# Altium PCB CurrentTransducers_Corfo_v2.PcbDoc (part 1 of 2) (continued)
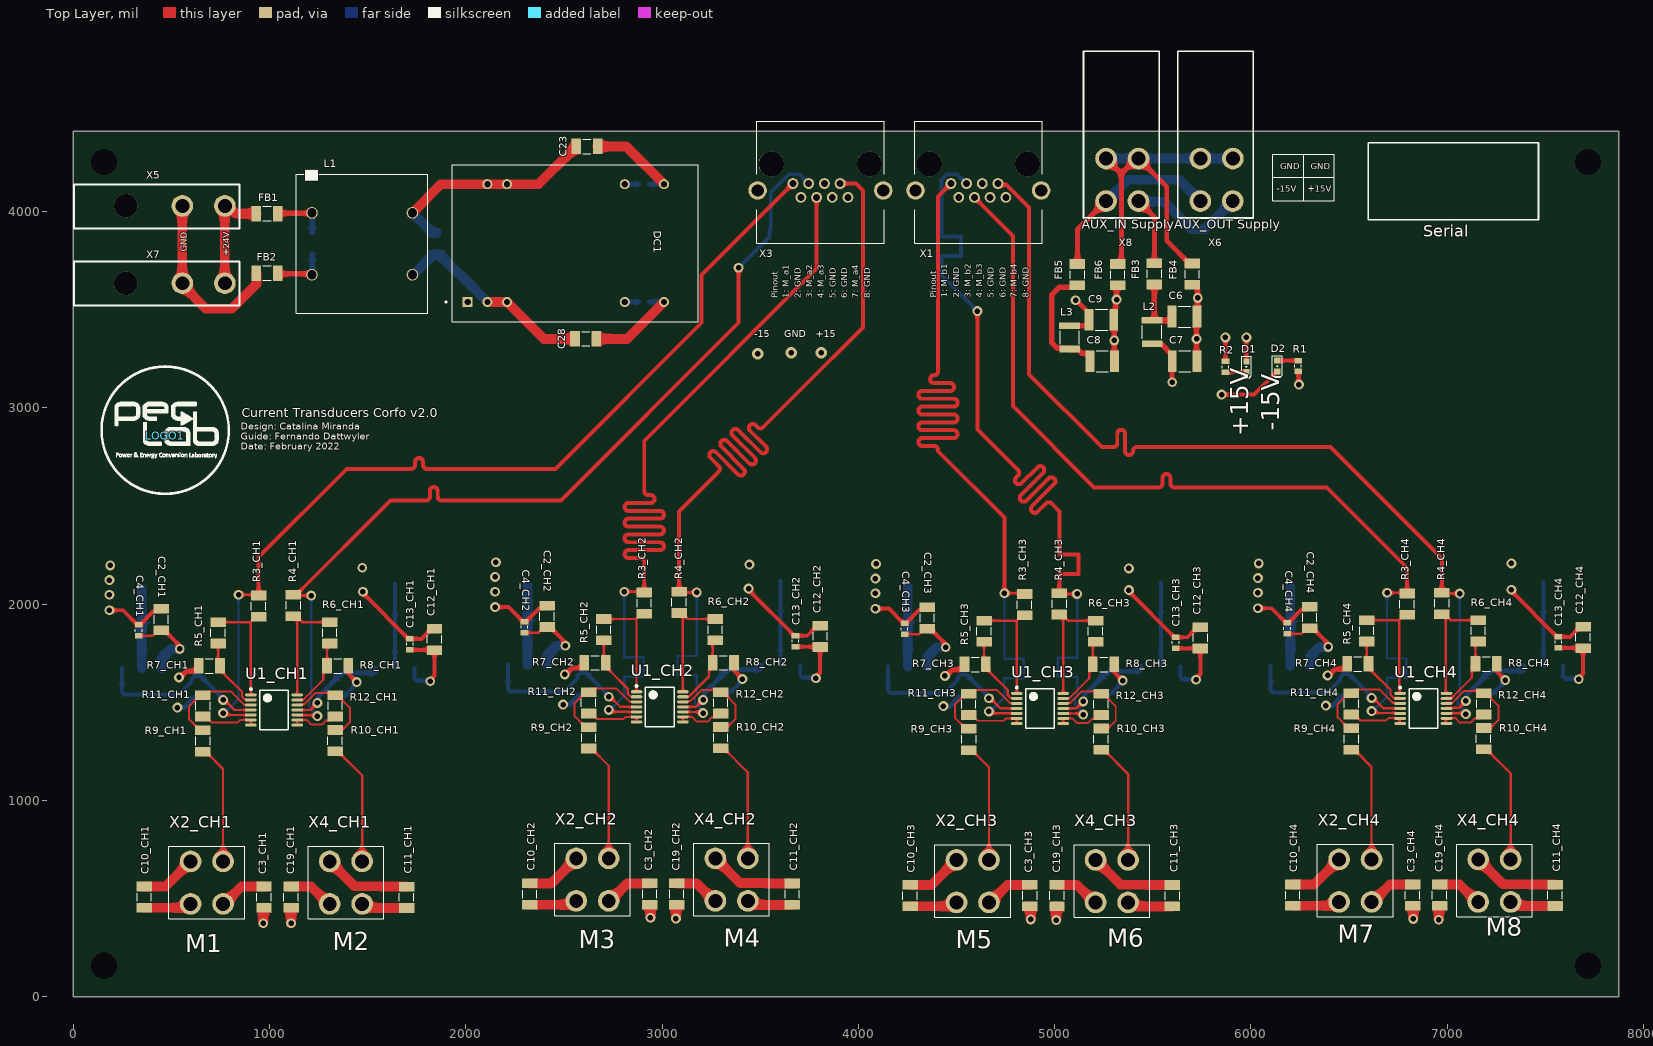
[diagram p0: Top Layer view]
## Components (designator, comment, footprint, x,y, rotation, side; value= is the part's Value field where it differs from the comment) (continued)
X4_CH4 "Connector 2x2" 0039310047 7433.07,775.98 r180 top (schematic designator X4)
X5 "Connector 2x1 R/A" CON_WR-MPC4-649002227222 772.72,4027.94 r270 top
X6 "Connector 2x2" 0874270402 5807.09,4401.57 r180 top
X7 "Connector 2x1 R/A" CON_WR-MPC4-649002227222 772.72,3634.24 r270 top
X8 "Connector 2x2" 0874270402 5326.77,4401.57 r180 top

## Footprints (in the part's own frame and the unit in brackets; to place one, negate y for a bottom-side part, rotate by r counter-clockwise, add the part's x,y. Pads: shape width x height; smd on the part's side, far side on the other; paste and mask are expansions set on the pad)
0039310047 [mm]
  round 2.8 hole 1.8: 1(2.8,7.45) 2(7,7.45) 3(2.8,1.95) 4(7,1.95)
  silkscreen extent 0,0 9.8,9.4, body extent -0.37,-1.35 10.03,9.65, height 12.8
0874270402 [mm]
  round 2.8 hole 1.8: 1(-2.54,8.859) 2(1.651,8.859) 3(-2.549,3.359) 4(1.651,3.359)
  silkscreen extent -5.21,-10.54 4.57,11.05, body extent -5.84,-10.48 4.96,9.46, height 11.5
CAP_0603 [mm] "CAP CER 0603"
  rect 1x0.7 smd: 1(0,0) 2(0,-1.4)
  silkscreen extent -0.42,-0.86 0.43,-0.54, body extent -0.4,-1.49 0.4,0.11, height 0.3
CAP_1206 [mm]
  rect 2x1.25 smd: 1(-0.01,-0.01) 2(-0.01,-2.77)
  silkscreen extent -0.93,-1.91 0.92,-0.86, body extent -0.81,-2.96 0.79,0.24, height 1.6
CAP_1210 [mm]
  rect 2.8x1.15 smd: 1(-0.01,-0.01) 2(-0.01,-3.2)
  silkscreen extent -1.37,-2.39 1.35,-0.82, body extent -1.37,-3.37 1.35,0.13, height 2.8
CON_WR-MPC4-649002227222 [mm] "CONN HEADER R/A 2POS 4.2MM"
  round 2.8 hole 1.8: 1(0,0) 2(0,-5.5)
  silkscreen extent -2.8,-19.5 2.9,1.9, body extent -2.8,-19.47 2.9,0.5, height 11.4
FB_1206 [mm]
  rect 2x1.25 smd: 1(-0.01,-0.01) 2(-0.01,-2.77)
  silkscreen extent -0.93,-1.91 0.92,-0.86, body extent -0.82,-3.04 0.78,0.16, height 1.1
INDUCTOR_1210 [mm] "INDUCTOR 1210"
  rect 2.7x0.85 smd: 1(0,0) 2(0.02,-3)
  silkscreen extent -1.24,-2.36 1.24,-0.64, body extent -1.24,-3.11 1.26,0.09, height 1.5
LED_0603_Blue [mm] "LED 0603"
  rect 0.8x0.8 smd: 1(0,0) 2(0,-1.4)
  silkscreen extent -0.63,-2.16 0.63,0.65, body extent -0.4,-1.49 0.4,0.11, height 0.4
LM2990 [mm]
  rrect25% 3.79x0.99 smd: 1(-9.067,2.54) 2(-9.067,0) 3(-9.067,-2.54)
  rect 7.62x10.84 smd paste-6: 4(1.813,0)
  silkscreen extent -11.77,-5.08 -2.32,5.08, body extent -9.84,-5.08 4.51,5.08, height 4.65
Logo_PECLAB [mil]
  silkscreen extent -329,-300 329,357
MIC29150 [mm]
  rect 3.92x1.45 smd: 1(-10.287,2.54) 2(-10.287,0) 3(-10.287,-2.54)
  rect 8.75x10.75 smd paste-6: 4(0.013,0)
  silkscreen extent -10.39,-5.21 -4.94,5.21
OPAx172 [mm] "TSOP, 14-Leads, Body 5,10x4,50mm, Pitch 0,65mm, IPC Medium Density"
  oval 1.5x0.4 smd: 1(-3,1.95) 2(-3,1.3) 3(-3,0.65) 4(-3,0) 5(-3,-0.65) 6(-3,-1.3) 7(-3,-1.95) 8(3,-1.95) 9(3,-1.3) 10(3,-0.65) 11(3,0) 12(3,0.65) 13(3,1.3) 14(3,1.95)
  silkscreen extent -3.12,-2.55 1.85,2.82, body extent -3.3,-2.55 3.3,2.55, height 1.2
RES_0603 [mm] "RES 0603"
  rect 1x0.7 smd: 1(0,0) 2(0,-1.4)
  silkscreen extent -0.42,-0.86 0.43,-0.54, body extent -0.39,-1.49 0.41,0.11, height 0.45
RJ45_RJHSE5E80 [mm] "Modulo RJ-45 RJHSE5E80"
  round 1.408 hole 0.9: 1(0,0) 2(-1.02,1.78) 3(-2.03,0) 4(-3.05,1.78) 5(-4.06,0) 6(-5.08,1.78) 7(-6.09,0) 8(-7.11,1.78)
  round 2.4 hole 1.6: ""(-11.68,0.89) ""(4.58,0.89)
  round 3.25 hole 3.25 unplated: ""(-9.9,-2.54) ""(2.8,-2.54)
  silkscreen extent -11.81,-8.04 4.7,7.71, body extent -11.95,-8.24 4.88,7.96, height 14.77
SC-07-04GJ [mm]
  round 1.508 hole 1.2: 1(5,2) 2(13,2) 3(13,15) 4(5,15)
  silkscreen extent 0,0 18,17, body extent 0.02,0.01 18.02,17.01, height 19.56
Serial_22x10mm [mil]
  silkscreen extent -433,-197 433,197
"THD 12-2423" [mm]
  rect 1.3x1.3 hole 0.8: 1(-13.644,-7.727)
  round 1.3 hole 0.8: 2(-11.104,-7.727) 3(-8.564,-7.727) 9(6.676,-7.727) 11(11.756,-7.727) 14(11.756,7.513) 16(6.676,7.513) 22(-8.564,7.513) 23(-11.104,7.513)
  silkscreen extent -16.53,-10.26 16.16,10.04, body extent -15.54,-10.28 16.26,10.02, height 10.3

## Part data
C1_CH1 C1_CH2 C1_CH3 C1_CH4 C2_CH1 C2_CH2 C2_CH3 C2_CH4 C3_CH1 C3_CH2 C3_CH3 C3_CH4 C5_CH1 C5_CH2 C5_CH3 C5_CH4 C10_CH1 C10_CH2 C10_CH3 C10_CH4 C11_CH1 C11_CH2 C11_CH3 C11_CH4 C12_CH1 C12_CH2 C12_CH3 C12_CH4 C19_CH1 C19_CH2 C19_CH3 C19_CH4: library part GMK316B7105MLHT, "Cap Ceramic 1uF 35V X7R 20% Pad SMD 1206 125C Low ESR Automotive T/R", Manufacturer="Taiyo Yuden", Supplier Part Number 1=587-GMK316B7105MLHTCT-ND, Category="Ceramic Capacitors", Manufacturer Part Number=GMK316B7105MLHT, Pricing 1="1=0,26000, 10=0,17900, 50=0,11920, 100=0,10130, 500=0,07148, 1000=0,06255 (USD)", RoHS=Yes, Stock 1=1568, Supplier 1=Digi-Key
C4_CH1 C13_CH1: library part C1608X5R1H104K080AA, "Cap Ceramic 0.1uF 50V X5R 10% SMD 0603 85C T/R", Capacitance=100nF, Case/Package=0603, Case Code (Metric)=1608, Dielectric=X5R, Dielectric Material=Ceramic, Manufacturer=TDK, Max Operating Temperature=85°C, Min Operating Temperature=-55°C, Package Quantity=1, Supplier Part Number 1=445-7456-1-ND, Tolerance=10%, Voltage Rating=50V, Case Code (Imperial)=0603, Category="Ceramic Capacitors", ComponentLink1Description=https://datasheet.ciiva.com/26834/getdatasheetpartid-733538-26834367.pdf?src-supplier=Verical, ComponentLink1URL=https://datasheet.ciiva.com/26834/getdatasheetpartid-733538-26834367.pdf?src-supplier=Verical, ComponentLink2Description=https://datasheet.ciiva.com/28577/1735394-28577228.pdf?src-supplier=Element14, ComponentLink2URL=https://datasheet.ciiva.com/28577/1735394-28577228.pdf?src-supplier=Element14, ComponentLink3Description=https://datasheet.ciiva.com/6275/tdkmlcccaprange-6275223.pdf?src-supplier=Digi-Key, ComponentLink3URL=https://datasheet.ciiva.com/6275/tdkmlcccaprange-6275223.pdf?src-supplier=Digi-Key, ComponentLink4Description=https://datasheet.ciiva.com/24219/mlcc-commercial-general-en-24219452.pdf?src-supplier=Mouser, ComponentLink4URL=https://datasheet.ciiva.com/24219/mlcc-commercial-general-en-24219452.pdf?src-supplier=Mouser, ComponentLink5Description=https://datasheet.ciiva.com/17487/e412-c-17487525.pdf?src-supplier=Avnet+Europe, ComponentLink5URL=https://datasheet.ciiva.com/17487/e412-c-17487525.pdf?src-supplier=Avnet+Europe, ComponentLink6Description=https://datasheet.ciiva.com/7975/1796654-7975081.pdf?src-supplier=Element14, ComponentLink6URL=https://datasheet.ciiva.com/7975/1796654-7975081.pdf?src-supplier=Element14, ComponentLink7Description=https://datasheet.ciiva.com/22694/1796654-22694121.pdf?src-supplier=Element14, ComponentLink7URL=https://datasheet.ciiva.com/22694/1796654-22694121.pdf?src-supplier=Element14, Construction=Flat, Depth=0.8mm, Height=0.8mm, Lead Free="Lead Free", Length=1.6mm, Manufacturer Part Number=C1608X5R1H104K080AA, Mount="Surface Mount", Number of Pins=2, Packaging="Tape and Reel", Pricing 1="1=0,12000, 10=0,08600, 50=0,04680, 100=0,03830, 500=0,02734, 1000=0,02148 (USD)", Radiation Hardening=No, REACH SVHC="No SVHC", Resistor Type=Ceramic, RoHS=Yes, RoHS Compliant=Yes, Series=C, Stock 1=1984, Supplier 1=Digi-Key, Termination=SMD/SMT, Thickness=0.035inch, Voltage Rating (DC)=50V, Weight=7.1E-05oz, Width=0.031inch
C4_CH2 C4_CH3 C4_CH4 C13_CH2 C13_CH3 C13_CH4: library part C1608X5R1H104K080AA, "Cap Ceramic 0.1uF 50V X5R 10% SMD 0603 85C T/R", Capacitance=100nF, Case Code (Imperial)=0603, Case Code (Metric)=1608, Dielectric=X5R, Dielectric Material=Ceramic, Manufacturer=TDK, Max Operating Temperature=85°C, Min Operating Temperature=-55°C, Package Quantity=1, Supplier Part Number 1=445-7456-1-ND, Tolerance=10%, Voltage Rating=50V, Case/Package=0603, Category="Ceramic Capacitors", ComponentLink1Description=https://datasheet.ciiva.com/26834/getdatasheetpartid-733538-26834367.pdf?src-supplier=Verical, ComponentLink1URL=https://datasheet.ciiva.com/26834/getdatasheetpartid-733538-26834367.pdf?src-supplier=Verical, ComponentLink2Description=https://datasheet.ciiva.com/28577/1735394-28577228.pdf?src-supplier=Element14, ComponentLink2URL=https://datasheet.ciiva.com/28577/1735394-28577228.pdf?src-supplier=Element14, ComponentLink3Description=https://datasheet.ciiva.com/6275/tdkmlcccaprange-6275223.pdf?src-supplier=Digi-Key, ComponentLink3URL=https://datasheet.ciiva.com/6275/tdkmlcccaprange-6275223.pdf?src-supplier=Digi-Key, ComponentLink4Description=https://datasheet.ciiva.com/24219/mlcc-commercial-general-en-24219452.pdf?src-supplier=Mouser, ComponentLink4URL=https://datasheet.ciiva.com/24219/mlcc-commercial-general-en-24219452.pdf?src-supplier=Mouser, ComponentLink5Description=https://datasheet.ciiva.com/17487/e412-c-17487525.pdf?src-supplier=Avnet+Europe, ComponentLink5URL=https://datasheet.ciiva.com/17487/e412-c-17487525.pdf?src-supplier=Avnet+Europe, ComponentLink6Description=https://datasheet.ciiva.com/7975/1796654-7975081.pdf?src-supplier=Element14, ComponentLink6URL=https://datasheet.ciiva.com/7975/1796654-7975081.pdf?src-supplier=Element14, ComponentLink7Description=https://datasheet.ciiva.com/22694/1796654-22694121.pdf?src-supplier=Element14, ComponentLink7URL=https://datasheet.ciiva.com/22694/1796654-22694121.pdf?src-supplier=Element14, Construction=Flat, Depth=0.8mm, Height=0.8mm, Lead Free="Lead Free", Length=1.6mm, Manufacturer Part Number=C1608X5R1H104K080AA, Mount="Surface Mount", Number of Pins=2, Packaging="Tape and Reel", Pricing 1="1=0,12000, 10=0,08600, 50=0,04680, 100=0,03830, 500=0,02734, 1000=0,02148 (USD)", Radiation Hardening=No, REACH SVHC="No SVHC", Resistor Type=Ceramic, RoHS=Yes, RoHS Compliant=Yes, Series=C, Stock 1=1984, Supplier 1=Digi-Key, Termination=SMD/SMT, Thickness=0.035inch, Voltage Rating (DC)=50V, Weight=7.1E-05oz, Width=0.031inch
C6 C7 C8 C9: library part Cap_1210, "10µF ±10% 50V Ceramic Capacitor X7R 1210 (3225 Metric)", Package=1210, Supplier Part Number 1=399-11629-1-ND, Created=2020_06_15_DAarancibia, MF=KEMET, MFP=C1210C106K5RACTU, Supplier 1=Digi-Key
C23 C28: library part C1206C102KGRACAUTO, "Cap Ceramic 0.001uF 2000V X7R 10% SMD 1206 125°C Embossed Plastic T/R", Capacitance=1nF, Case Code (Imperial)=1206, Case Code (Metric)=3216, Dielectric=X7R, Dielectric Material=Ceramic, Manufacturer=KEMET, Max Operating Temperature=125°C, Min Operating Temperature=-55°C, Ratings=AEC-Q200, Supplier Part Number 1=399-12976-1-ND, Tolerance=10%, Voltage Rating=2kV, Case/Package=1206, Category="Ceramic Capacitors", ComponentLink1Description=http://www.farnell.com/datasheets/2741171.pdf?src-supplier=Farnell, ComponentLink1URL=http://www.farnell.com/datasheets/2741171.pdf?src-supplier=Farnell, ComponentLink2Description=http://www.mouser.com/ds/2/212/KEM_C1010_X7R_HV_SMD-1102742.pdf?src-supplier=Mouser, ComponentLink2URL=http://www.mouser.com/ds/2/212/KEM_C1010_X7R_HV_SMD-1102742.pdf?src-supplier=Mouser, ComponentLink3Description=http://capacitoredge.kemet.com/capedge2/DataSheet/Datasheet-C1206C102KGRACAUTO.pdf?pn=C1206C102KGRACAUTO&src-supplier=Avnet, ComponentLink3URL=http://capacitoredge.kemet.com/capedge2/DataSheet/Datasheet-C1206C102KGRACAUTO.pdf?pn=C1206C102KGRACAUTO&src-supplier=Avnet, ComponentLink4Description=http://www.farnell.com/datasheets/2741171.pdf?src-supplier=Element14, ComponentLink4URL=http://www.farnell.com/datasheets/2741171.pdf?src-supplier=Element14, ComponentLink5Description=https://api.kemet.com/component-edge/download/datasheet/C1206C102KGRACAUTO.pdf?src-supplier=Digi-Key, ComponentLink5URL=https://api.kemet.com/component-edge/download/datasheet/C1206C102KGRACAUTO.pdf?src-supplier=Digi-Key, ComponentLink6Description=http://www.farnell.com/datasheets/2741171.pdf?src-supplier=Newark, ComponentLink6URL=http://www.farnell.com/datasheets/2741171.pdf?src-supplier=Newark, Construction=Flat, Contact Plating=Tin,Matte, Length=0.126inch, Manufacturer Part Number=C1206C102KGRACAUTO, Mount="Surface Mount", Packaging="Tape and Reel", Pricing 1="1=0,27000, 10=0,18500, 50=0,12360, 100=0,10510, 500=0,07418, 1000=0,06491 (USD)", REACH SVHC="No SVHC", RoHS=No, RoHS Compliant=No, Series=C, Stock 1=904, Supplier 1=Digi-Key, Termination=SMD/SMT, Thickness=0.069inch, Voltage Rating (DC)=2kV, Width=0.063inch
C24 C27: library part CC0603CRNPO9BNR47, "Surface Mount Ceramic Multilayer Capacitor 0.47pF 0.25pF C0G 50V 0603 Paper T/R", Case Code (Imperial)=0603, Case Code (Metric)=1608, Dielectric=C0G, Dielectric Material=Ceramic, Insulation Resistance=100GR, Manufacturer=Yageo, Max Operating Temperature=125°C, Min Operating Temperature=-55°C, Package Quantity=4000, Supplier Part Number 1=13-CC0603CRNPO9BNR47CT-ND, Voltage Rating=50V, Capacitance=0.47pF, Case/Package=0603, Category="Ceramic Capacitors", ComponentLink1Description=https://datasheet.ciiva.com/11586/upy-gp-np0-16v-to-50v-8-11586447.pdf?src-supplier=Avnet, ComponentLink1URL=https://datasheet.ciiva.com/11586/upy-gp-np0-16v-to-50v-8-11586447.pdf?src-supplier=Avnet, ComponentLink2Description=https://datasheet.ciiva.com/8033/1443161-8033695.pdf?src-supplier=Element14, ComponentLink2URL=https://datasheet.ciiva.com/8033/1443161-8033695.pdf?src-supplier=Element14, ComponentLink3Description=https://datasheet.ciiva.com/17437/upy-gp-np0-16v-to-50v-8-17437099.pdf?src-supplier=Avnet+Europe, ComponentLink3URL=https://datasheet.ciiva.com/17437/upy-gp-np0-16v-to-50v-8-17437099.pdf?src-supplier=Avnet+Europe, Depth=0.8mm, Height=0.8mm, Lead Free="Lead Free", Length=1.6mm, Manufacturer Part Number=CC0603CRNPO9BNR47, Mount="Surface Mount", Packaging="Tape and Reel", Pricing 1="1=0,10000, 10=0,05600, 50=0,03040, 100=0,02480, 500=0,01774, 1000=0,01395 (USD)", REACH SVHC=Unknown, Resistor Type=Ceramic, RoHS=Yes, RoHS Compliant=Yes, Series=CC, Stock 1=832, Supplier 1=Digi-Key, Termination=SMD/SMT, Thickness=0.035inch, Voltage Rating (DC)=50V, Width=0.031inch
C25 C26: library part UMK316ABJ475MLHT, "Cap Ceramic 4.7uF 50V X5R 20% Pad SMD 1206 85C Low ESR Automotive T/R", Case/Package=1206, Manufacturer="Taiyo Yuden", Max Operating Temperature=85°C, Min Operating Temperature=-55°C, Ratings=AEC-Q200, Supplier Part Number 1=587-6377-1-ND, Tolerance=20%, Voltage Rating=50V, Capacitance=4.7uF, Category="Ceramic Capacitors", ComponentLink1Description=https://www.yuden.co.jp/productdata/catalog/mlcc_all_hq_e.pdf?src-supplier=Digi-Key, ComponentLink1URL=https://www.yuden.co.jp/productdata/catalog/mlcc_all_hq_e.pdf?src-supplier=Digi-Key, Manufacturer Part Number=UMK316ABJ475MLHT, Mount="Surface Mount", Packaging="Tape and Reel", Pricing 1="1=0,41000, 10=0,28400, 50=0,19880, 100=0,17040, 500=0,12782, 1000=0,10794 (USD)", RoHS=Yes, RoHS Compliant=Yes, Stock 1=157, Supplier 1=Digi-Key
D1 D2: library part Led_0603_Blue, "Blue 470nm LED Indication - Discrete 3.2V 0603 (1608 Metric)", Package=0603, Supplier Part Number 1=732-4966-1-ND, Created=2020_07_06_DAarancibia, MF="Würth Elektronik", MFP=150060BS75000, Supplier 1=Digi-Key
DC1: "TRACOPOWER Isolated DC-DC Converter, Vin 18  36 V dc, Vout 15V dc, I/O isolation 1500V dc", Case/Package=PDIP, Current - Output 1=400mA, Isolation Voltage=1.5kV, Manufacturer="Traco Power", Max Input Voltage=36V, Max Operating Temperature=85°C, Max Output Power=12W, Min Input Voltage=18V, Min Operating Temperature=-40°C, Nominal Input Voltage=24V, Output Voltage=15V, Supplier Part Number 1=1951-2256-ND, Voltage - Output 2=-15V, Category="Board Mount Modules", ComponentLink1Description=https://datasheet.ciiva.com/29185/154654-da-01-de-dc-dc-wandler-12w-thd-12-2423-29185432.pdf?src-supplier=Conrad, ComponentLink1URL=https://datasheet.ciiva.com/29185/154654-da-01-de-dc-dc-wandler-12w-thd-12-2423-29185432.pdf?src-supplier=Conrad, ComponentLink2Description=https://datasheet.ciiva.com/46416/1858119-46416695.pdf?src-supplier=Element14, ComponentLink2URL=https://datasheet.ciiva.com/46416/1858119-46416695.pdf?src-supplier=Element14, Current - Output 2=400mA, Depth=20.3mm, Efficiency=88%, Isolation=Isolated, Length=31.8mm, Manufacturer Part Number=THD12-2423, Max Input Voltage (DC)=36V, Min Input Voltage (DC)=18V, Mount="Through Hole", Number of Outputs=2, Number of Pins=9, Output Current=400mA, Pricing 1="1=41,27000, 10=38,22000, 25=37,62280, 40=35,83125, 80=32,84525, 230=32,24813, 440=31,85000 (USD)", REACH SVHC="No SVHC", RoHS=Yes, RoHS Compliant=Yes, Stock 1=196, Supplier 1=Digi-Key, Voltage - Output 1=15V
FB1 FB2 FB3 FB4 FB5 FB6: library part "Ferrite Bead", "60 Ohms @ 100MHz 1 Power Line Ferrite Bead 1206 (3216 Metric) 4A 10mOhm", Package=1206, Supplier Part Number 1=587-1770-1-ND, Created=2020_07_06_DAarancibia, MF="Taiyo Yuden", MFP=FBMJ3216HM600-T, Supplier 1=Digi-Key
L1: "Ind Common Mode Choke 0.36mH 7A 14m Ohm Toroid 4-Pin Radial Tray", Manufacturer=KEMET, Supplier Part Number 1=399-SC-07-04GJ-ND, Category="Common Mode Chokes", Manufacturer Part Number=SC-07-04GJ, Pricing 1="1=3,59000, 10=3,29500, 25=2,99520, 60=2,51583, 120=2,15650, 240=2,03667, 480=1,91688, 960=1,79707, 2400=1,73717 (USD)", RoHS=Yes, RoHS Compliant=Yes, Stock 1=286, Supplier 1=Digi-Key
L2 L3: library part Inductor_1210, "10µH Unshielded Wirewound Inductor 700mA 350mOhm Max 1210 (3225 Metric)", Package=1210, Supplier Part Number 1=587-5505-1-ND, Created=2020_07_06_DAarancibia, MF="Taiyo Yuden", MFP=BRL3225T100M, Supplier 1=Digi-Key
R1 R2: library part Res_0603, "10 kOhms ±1% 0.1W, 1/10W Chip Resistor 0402 (1005 Metric) Anti-Sulfur, Automotive AEC-Q200 Thick Film", Package=0603, Supplier Part Number 1=P6.20KHCT-ND, Created=2020_06_15_DAarancibia, MF="Panasonic Electronic Components", MFP=ERJ-3EKF6201V, Supplier 1=Digi-Key
R3_CH1 R3_CH2 R3_CH3 R3_CH4 R4_CH1 R4_CH2 R4_CH3 R4_CH4: library part RC1206FR-074K02L, "Res Thick Film 1206 4.02K Ohm 1% 0.25W(1/4W) ±100ppm/C Pad SMD T/R", Case Code (Imperial)=1206, Case Code (Metric)=3216, Manufacturer=Panasonic, Manufacturer Part Number=ERA8AEB201V, Max Operating Temperature=155°C, Max Power Dissipation=250mW, Min Operating Temperature=-55°C, Package Quantity=5000, Resistance=200R, Resistance Tolerance=0.1%, Resistor Type="Thin Film,Metal Film", Supplier Part Number 1=8280667P, Temperature Coefficient=25ppm/°C, Voltage Rating=150V, Case/Package=1206, Category="Chip SMD Resistors", ComponentLink1Description=https://datasheet.ciiva.com/43458/391390-43458059.pdf?src-supplier=Farnell, ComponentLink1URL=https://datasheet.ciiva.com/43458/391390-43458059.pdf?src-supplier=Farnell, ComponentLink2Description=https://datasheet.ciiva.com/46444/391390-46444809.pdf?src-supplier=Element14, ComponentLink2URL=https://datasheet.ciiva.com/46444/391390-46444809.pdf?src-supplier=Element14, Construction=Rectangular, Contact Plating=Tin, Depth=1.6mm, Height=0.6mm, Lead Free="Lead Free", Length=3.2mm, Military Standard=Not, Mount="Surface Mount", Number of Pins=2, Number of Terminations=2, Packaging="Tape and Reel", Power Rating=250mW, Pricing 1="50=0,57000, 100=0,53200, 250=0,49600, 500=0,45200 (GBP)", Radiation Hardening=No, REACH SVHC="No SVHC", RoHS=Yes, RoHS Compliant=Yes, Series=ERA-8A, Stock 1=1780, Supplier 1=RSComponents, Technology="THIN FILM", Termination=SMD/SMT, Tolerance=0.1%, Voltage Rating (DC)=150V, Width=0.063inch
R5_CH1 R5_CH2 R5_CH3 R5_CH4 R6_CH1 R6_CH2 R6_CH3 R6_CH4 R7_CH1 R7_CH2 R7_CH3 R7_CH4 R8_CH1 R8_CH2 R8_CH3 R8_CH4 R9_CH1 R9_CH2 R9_CH3 R9_CH4 R10_CH1 R10_CH2 R10_CH3 R10_CH4 R11_CH1 R11_CH2 R11_CH3 R11_CH4 R12_CH1 R12_CH2 R12_CH3 R12_CH4: library part AT1206BRD07100KL, "Chip Resistor Automotive Grade Thin Film 1206 100kOhm 0.1% Paper T/R", Case/Package=1206, Manufacturer=Yageo, Max Operating Temperature=155°C, Max Power Dissipation=250mW, Min Operating Temperature=-55°C, Resistance=100kR, Resistor Type="Thin Film", Supplier Part Number 1=82AH6640, Temperature Coefficient=25ppm/°C, Tolerance=0.1%, Category="Chip SMD Resistors", ComponentLink1Description=http://www.yageo.com/documents/recent/PYu-AT_51_RoHS_L_5.pdf?src-supplier=Digi-Key, ComponentLink1URL=http://www.yageo.com/documents/recent/PYu-AT_51_RoHS_L_5.pdf?src-supplier=Digi-Key, Features="Moisture Resistant,Automotive AEC-Q200,Anti-Sulfur", Height=0.026inch, Length=0.122inch, Manufacturer Part Number=AT1206BRD07100KL, Number of Terminations=2, Packaging="Tape and Reel", Pricing 1="10=0,31400, 25=0,27200, 50=0,23000, 100=0,18800 (USD)", RoHS=Yes, RoHS Compliant=Yes, Stock 1=17700, Supplier 1=Newark, Width=0.063inch
Serial: library part SerialNumber, Created=2020_07_12_DArancibia
U1_CH1 U1_CH2 U1_CH3 U1_CH4: "4-Channel, 10-MHz, 36V, high slew-rate, low-noise, RRO, op amp 14-TSSOP -40 to 125", Case/Package=TSSOP, Input Bias Current=8pA, Input Offset Voltage (Vos)=200uV, Manufacturer="Texas Instruments", Max Operating Temperature=125°C, Min Operating Temperature=-40°C, Operating Supply Current=1.6mA, Output Current per Channel=75mA, Supplier Part Number 1=296-OPA4172IPWRCT-ND, Category="Amplifiers - Op Amps, Buffer, Instrumentation", ComponentLink1Description=http://www.ti.com/lit/ds/symlink/opa2172.pdf?src-supplier=Digi-Key, ComponentLink1URL=http://www.ti.com/lit/ds/symlink/opa2172.pdf?src-supplier=Digi-Key, ComponentLink2Description=http://www.ti.com/lit/gpn/opa4172?src-supplier=Mouser, ComponentLink2URL=http://www.ti.com/lit/gpn/opa4172?src-supplier=Mouser, Gain Bandwidth Product=10MHz, Lead Free="Lead Free", Manufacturer Part Number=OPA4172IPWR, Mount="Surface Mount", Number of Channels=4, Number of Circuits=4, Packaging="Tape and Reel", Pricing 1="1=3,08000, 10=2,76500, 25=2,61400, 100=2,26540, 250=2,14924, 500=1,92852, 1000=1,91800 (USD)", RoHS=Yes, RoHS Compliant=Yes, Slew Rate=10V/µs, Stock 1=1581, Supplier 1=Digi-Key
U2_CH1 U2_CH2 U2_CH3 U2_CH4: "1-A, negative low-dropout voltage regulator 3-DDPAK/TO-263 -40 to 125", Case/Package=TO-263, Current Rating=1.5kA, Dropout Voltage=600mV, Manufacturer="TI National Semiconductor", Max Input Voltage=300mV, Max Operating Temperature=125°C, Max Output Current=1A, Max Output Voltage=-12V, Min Input Voltage=-26V, Min Operating Temperature=-40°C, Min Supply Voltage=-1V, Output Voltage Accuracy=5%, Package Quantity=45, Quiescent Current=5mA, Supplier Part Number 1=LM2990S-12/NOPB-ND, Accuracy=5%, ComponentLink1Description=https://datasheet.ciiva.com/14666/0900766b80b13b16-14666451.pdf?src-supplier=RSComponents, ComponentLink1URL=https://datasheet.ciiva.com/14666/0900766b80b13b16-14666451.pdf?src-supplier=RSComponents, ComponentLink2Description=https://datasheet.ciiva.com/14149/lm2990-eng-tds-14149994.pdf?src-supplier=Distrelec, ComponentLink2URL=https://datasheet.ciiva.com/14149/lm2990-eng-tds-14149994.pdf?src-supplier=Distrelec, Contact Plating=Tin,Matte, Height=4.57mm, Lead Free="Contains Lead", Length=10.16mm, Manufacturer Part Number=LM2990S-12/NOPB, Max Supply Voltage=300mV, Mount="Surface Mount", Nominal Output Voltage=-12V, Number of Outputs=1, Number of Pins=3, Output Current=1A, Output Type=Fixed, Output Voltage=-12V, Packaging=Rail/Tube, Polarity=Negative, Pricing 1="1 = 4,65000, 10 = 4,17800, 25 = 3,94960, 100 = 3,42300, 250 = 3,24740, 500 = 2,91390, 1000 = 2,89800 (USD)", Radiation Hardening=No, REACH SVHC="No SVHC", RoHS=Yes, RoHS Compliant=Yes, Stock 1=420, Supplier 1=Digi-Key, Termination=SMD/SMT, Weight=0.25lb, Width=8.64mm
U3_CH1 U3_CH2 U3_CH3 U3_CH4: "LDO Regulator Pos 12V 1.5A Automotive 4-Pin(3+Tab) TO-263 T/R", Case/Package=TO-263-4, Dropout Voltage=350mV, Manufacturer=Microchip, Max Operating Temperature=125°C, Min Operating Temperature=-40°C, Output Current=1.5A, Output Voltage=12V, Package Quantity=750, Supplier Part Number 1=79AH4265, ComponentLink1Description=https://datasheet.ciiva.com/26907/mic29150-12wutr-26907428.pdf?src-supplier=IIIC, ComponentLink1URL=https://datasheet.ciiva.com/26907/mic29150-12wutr-26907428.pdf?src-supplier=IIIC, ComponentLink2Description=https://datasheet.ciiva.com/2064/mic29150-2064514.pdf?src-supplier=Digi-Key, ComponentLink2URL=https://datasheet.ciiva.com/2064/mic29150-2064514.pdf?src-supplier=Digi-Key, Lead Free="Lead Free", Manufacturer Part Number=MIC29150-12WU-TR, Mount="Surface Mount", Number of Pins=4, Number of Regulators=1, Packaging="Tape and Reel", Pricing 1="750 = 3,26000 (USD)", RoHS=Yes, RoHS Compliant=Yes, Series=-, Stock 1=3000, Supplier 1=Newark
X1 X3: library part RJ45_RJHSE5E80, "Modulo RJ-45 RJHSE5E80", Color=Black, Current Rating=1.5A, Flammability Rating="UL94 V-0", Insulation Resistance=500MR, Manufacturer="Amphenol Commercial", Manufacturer Part Number=RJHSE5E80, Manufacturer Part-Number=1-338088-3, Max Operating Temperature=85°C, Min Operating Temperature=-55°C, Package Quantity=120, Supplier Part Number 1=RJHSE5E80-ND, Voltage Rating=125V, ComponentLink1Description=http://www.mouser.com/ds/2/18/Amphenol_RJHSE_BRO-311217.pdf?src-supplier=Mouser, ComponentLink1URL=http://www.mouser.com/ds/2/18/Amphenol_RJHSE_BRO-311217.pdf?src-supplier=Mouser, ComponentLink2Description=https://media.digikey.com/pdf/Data%20Sheets/Amphenol%20PDFs/RJHSE5E8x_Dwg.pdf?src-supplier=Digi-Key, ComponentLink2URL=https://media.digikey.com/pdf/Data%20Sheets/Amphenol%20PDFs/RJHSE5E8x_Dwg.pdf?src-supplier=Digi-Key, Connector Type=Jack, Contact Material=Bronze, Contact Plating=Gold, Digikey Part-Number=A99306CT-ND, Direction=Up, Gender=Female, Housing Material=Thermoplastic, LatestRevisionDate=17-Jul-2002, LatestRevisionNote="Re-released for DXP Platform.", Mount="Through Hole", Number of Contacts=8, Number of Ports=1, Number of Positions=8, Number of Rows=1, Orientation="Right Angle", Packaging=Tray, Pitch=2.03mm, Pricing 1="1=1.28, 10=1.125, 25=1.0584, 50=1.0144, 100=0.9702, 250=0.882, 500=0.7938, 1000=0.7056, 2500=0.63945 (USD)", Publisher="Altium Limited", Shielding=Shielded, Stock 1=16396, Supplier 1=Digi-Key, Termination=Solder
X2_CH1 X2_CH2 X2_CH3 X2_CH4 X4_CH1 X4_CH2 X4_CH3 X4_CH4: library part 0039310047, "Mini-Fit Jr. Vertical Header, 4.20mm Pitch, Dual Row, 4 Circuits, without Snap-in Plastic Peg PCB Lock, Gold, Natural", Color=Natural, Current Rating=9A, Manufacturer=Molex, Max Operating Temperature=105°C, Max Voltage Rating (AC)=600V, Min Operating Temperature=-40°C, Supplier Part Number 1=WM16949-ND, Category="Headers and Wire Housings", ComponentLink1Description=https://datasheet.ciiva.com/6813/039281103-sd-6813992.pdf?src-supplier=Digi-Key, ComponentLink1URL=https://datasheet.ciiva.com/6813/039281103-sd-6813992.pdf?src-supplier=Digi-Key, ComponentLink2Description=https://datasheet.ciiva.com/5155/0039310047-pcb-headers-160037-5155238.pdf?src-supplier=Mouser, ComponentLink2URL=https://datasheet.ciiva.com/5155/0039310047-pcb-headers-160037-5155238.pdf?src-supplier=Mouser, ComponentLink3Description=https://datasheet.ciiva.com/30208/0039310047-pcb-headers-30208434.pdf?src-supplier=Onlinecomponents.com, ComponentLink3URL=https://datasheet.ciiva.com/30208/0039310047-pcb-headers-30208434.pdf?src-supplier=Onlinecomponents.com, Contact Gender=Male, Contact Material=Brass, Contact Plating=Gold, Contact Post Length=3.5mm, Contact Type="Male Pin", Depth=11mm, Fastening Type=Ramp, Gender=Female, Glow Wire Compliant=Non-compliant, Halogen Free="Low Halogen", Housing Material=Nylon, Manufacturer Part Number=0039310047, Max Voltage Rating (DC)=600V, Mount="Through Hole", Number of Circuits=4, Number of Contacts=4, Number of Ports=1, Number of Positions=4, Number of Rows=2, Orientation=Straight, Packaging=Bulk, Pitch=4.2mm, Pricing 1="1=1,76000, 10=1,49800, 100=1,23730, 1000=0,97682, 5000=0,86611, 10000=0,84657 (USD)", RoHS=Yes, Row Spacing=0.165inch, Series="Mini-Fit® Jr™ 5566", Stock 1=4580, Supplier 1=Digi-Key, Termination=Solder, Voltage Rating=600V
X5 X7: library part Con_WR-MPC4_2x1, "Connector Header Through Hole, Right Angle 2 position 0.165\" (4.20mm)", MPN=649002227222, Package="Through Hole, pitch 0.165\" (4.20mm)", Supplier Part Number 1=732-1937-ND, Created=2020_06_14_DArancibia, MF="Würth Elektronik", Supplier 1=Digi-Key
X6 X8: library part 0874270402, "Conn Power HDR 4 POS 4.2mm Solder RA Thru-Hole 4 Terminal 1 Port Mini-Fit Jr™ Frame", Color=Beige, Manufacturer=Molex, Max Operating Temperature=105°C, Min Operating Temperature=-40°C, Supplier Part Number 1=WM4464-ND, Category="Headers and Wire Housings", ComponentLink1Description=https://datasheet.ciiva.com/737/874270802-sd-737977.pdf?src-supplier=Digi-Key, ComponentLink1URL=https://datasheet.ciiva.com/737/874270802-sd-737977.pdf?src-supplier=Digi-Key, Connector Type="Male Pin", Contact Material=Brass, Contact Plating=Tin, Contact Type="Male Pin", Depth=19.4mm, Fastening Type=Ramp, Housing Material=Nylon, Length=10.8mm, Manufacturer Part Number=0874270402, Mount="Through Hole", Number of Contacts=4, Number of Ports=1, Number of Positions=4, Number of Rows=2, Number of Terminals/Pins=4, Orientation="Right Angle", Packaging=Tray, Pitch=0.165inch, Pricing 1="1=1,32000, 10=1,09400, 80=0,91200, 1740=0,68402, 5220=0,63842, 10440=0,60650 (USD)", RoHS=Yes, RoHS Compliant=Yes, Row Spacing=0.165inch, Series="Mini-Fit® Jr™ 87427", Stock 1=50392, Supplier 1=Digi-Key, Termination=Solder

## Free pads (board coordinates)
  round 118.11 hole 133.86 unplated: ""(157.48,157.48) ""(157.48,4251.97) ""(7716.54,157.48) ""(7716.54,4251.97)

## Via types
v1: diameter 50, hole 28, Top Layer to Bottom Layer, 88 vias
v2: diameter 59.06, hole 28, Top Layer to Bottom Layer, 3 vias
v3: diameter 120.08, hole 120.08, Top Layer to Bottom Layer, 2 vias

## Nets (pads, with @x,y where several pads share a name; then routed paths per layer and width w, separated by ;. In a path a pad name is that pad's centre, name@x,y a point inside that pad or via, vN(x,y) a via of type N, cw(c..) or ccw(c..) an arc to the next point about the centre after c; other vN are vias at no path point)
+15_Filtered: C6.1 FB3.2 L2.1 | length 300.8
  Top Layer w27.56: L2.1@5496.06,3444.88 L2.1@5504.92,3444.88 ; FB3.2@5507.87,3627.56 5507.87,3447.83 L2.1@5504.92,3444.88 ; C6.1@5598.43,3464.57 5598.43,3453.74 5589.57,3444.88 L2.1@5504.92,3444.88
+15V: C2_CH1.1 C2_CH2.1 C2_CH3.1 C2_CH4.1 C3_CH1.1 C3_CH2.1 C3_CH3.1 C3_CH4.1 C4_CH1.1 C4_CH2.1 C4_CH3.1 C4_CH4.1 C7.1 C11_CH1.1 C11_CH2.1 C11_CH3.1 C11_CH4.1 C23.2 C24.1 D1.1 DC1.14 L2.2 U3_CH1.1 U3_CH2.1 U3_CH3.1 U3_CH4.1 X2_CH1.1 X2_CH2.1 X2_CH3.1 X2_CH4.1 X4_CH1.1 X4_CH2.1 X4_CH3.1 X4_CH4.1 | length 4526.6
  Top Layer w12: C4_CH1.1@334.65,1838.58 406.53,1838.58 434.85,1866.91 C2_CH1.1@449.62,1866.91 ; C4_CH2.1@2299.21,1854.33 2371.09,1854.33 2399.42,1882.66 C2_CH2.1@2414.18,1882.66 ; C4_CH3.1@4236.22,1846.46 4308.1,1846.46 4336.43,1874.78 C2_CH3.1@4351.19,1874.78 ; C4_CH4.1@6185.04,1848.82 6256.92,1848.82 6285.25,1877.15 C2_CH4.1@6300.01,1877.15
  Top Layer w20: C2_CH1.1@449.62,1866.91 464.38,1866.91 537.57,1793.72 537.57,1777.39 v1(543.31,1771.65) ; C2_CH2.1@2414.18,1882.66 2428.95,1882.66 2502.13,1809.47 2502.13,1793.14 v1(2507.87,1787.4) ; C2_CH3.1@4351.19,1874.78 4365.96,1874.78 4439.14,1801.6 4439.14,1785.27 v1(4444.88,1779.53) ; D1.1@5976.38,3236.22 v1(5976.38,3358.27) ; C2_CH4.1@6300.01,1877.15 6314.78,1877.15 6387.96,1803.96 6387.96,1787.63 v1(6393.7,1781.89)
  Top Layer w25: v1(5598.43,3129.92) 5598.62,3130.11 5598.62,3236.03 C7.1@5598.81,3236.22
  Top Layer w27.56: L2.2@5496.85,3326.77 5499.8,3323.82 5543.69,3323.82 5598.81,3268.7 C7.1@5598.81,3236.22
  Top Layer w50: X2_CH1.1@763.78,472.44 769.09,472.44 858.07,561.42 C3_CH1.1@972.44,561.42 ; X4_CH1.1@1472.44,472.44 1488.74,472.44 1509.2,451.99 C11_CH1.1@1698.39,451.99 ; C23.2@2671.65,4331.09 2817.67,4331.09 DC1.14@3010.08,4138.68 ; X2_CH2.1@2728.35,488.19 2733.66,488.19 2822.64,577.17 C3_CH2.1@2937.01,577.17 ; X4_CH2.1@3437.01,488.19 3453.31,488.19 3473.76,467.73 C11_CH2.1@3662.96,467.73 ; X2_CH3.1@4665.35,480.31 4670.67,480.31 4759.65,569.29 C3_CH3.1@4874.01,569.29 ; X4_CH3.1@5374.02,480.31 5390.32,480.31 5410.77,459.86 C11_CH3.1@5599.97,459.86 ; X2_CH4.1@6614.17,482.68 6619.49,482.68 6708.47,571.65 C3_CH4.1@6822.83,571.65 ; X4_CH4.1@7322.84,482.68 7339.14,482.68 7359.59,462.22 C11_CH4.1@7548.79,462.22
  Bottom Layer w25: C24.1@2937.01,4138.18 2937.26,4138.43 3009.83,4138.43 DC1.14@3010.08,4138.68
  Bottom Layer w50: U3_CH1.1@449.62,1673.82 449.62,1722.44 498.83,1771.65 v1(543.31,1771.65) ; U3_CH2.1@2414.19,1689.57 2414.18,1738.19 2463.4,1787.4 v1(2507.87,1787.4) ; U3_CH3.1@4351.19,1681.69 4351.19,1730.31 4400.41,1779.53 v1(4444.88,1779.53) ; U3_CH4.1@6300.01,1684.05 6300.01,1732.68 6349.23,1781.89 v1(6393.7,1781.89)
  other v2: 3811.02,3279.53
+15V_In: FB3.1 X6.1 X8.1 | length 949.2
  Top Layer w25: X8.1@5426.77,4052.8 5507.87,3971.69 FB3.1@5507.87,3736.22
  Bottom Layer w50: X8.1@5426.77,4052.8 5430.16,4049.41 5556.89,4049.41 5696.85,3909.45 5763.74,3909.45 X6.1@5907.09,4052.8
+24V: FB1.1 X5.1 X7.1 | length 570.7
  Top Layer w50: X7.1@772.72,3634.24 X5.1@772.72,4027.94 789.02,4027.94 828.39,3988.57 FB1.1@933.46,3988.57
+Vcc_CH1: C5_CH1.1 U1_CH1.4 U3_CH1.3 | length 907.1
  Top Layer w12: v1(763.78,1511.81) 771.65,1511.81 822.83,1460.63 U1_CH1.4@905.51,1460.63
  Bottom Layer w20: U3_CH1.3@249.62,1673.82 249.62,1551.09 261.33,1539.37 539.37,1539.37 604.49,1604.49 604.49,1619.25 619.09,1633.86 648.62,1633.86 763.78,1518.7 v1(763.78,1511.81)
+Vcc_CH2: C5_CH2.1 U1_CH2.4 U3_CH2.3 | length 907.1
  Top Layer w12: v1(2728.35,1527.56) 2736.22,1527.56 2787.4,1476.38 U1_CH2.4@2870.08,1476.38
  Bottom Layer w20: U3_CH2.3@2214.19,1689.57 2214.18,1566.83 2225.9,1555.12 2503.94,1555.12 2569.06,1620.24 2569.06,1635 2583.66,1649.61 2613.19,1649.61 2728.35,1534.45 v1(2728.35,1527.56)
+Vcc_CH3: C5_CH3.1 U1_CH3.4 U3_CH3.3 | length 907.1
  Top Layer w12: v1(4665.35,1519.68) 4673.23,1519.68 4724.41,1468.5 U1_CH3.4@4807.09,1468.5
  Bottom Layer w20: U3_CH3.3@4151.19,1681.69 4151.19,1558.96 4162.91,1547.24 4440.94,1547.24 4506.06,1612.36 4506.06,1627.13 4520.67,1641.73 4550.2,1641.73 4665.35,1526.57 v1(4665.35,1519.68)
+Vcc_CH4: C5_CH4.1 U1_CH4.4 U3_CH4.3 | length 912
  Top Layer w12: v1(6614.17,1522.05) 6622.05,1522.05 6675.59,1468.5 U1_CH4.4@6759.84,1468.5
  Bottom Layer w20: U3_CH4.3@6100.01,1684.05 6100.01,1561.32 6111.73,1549.61 6389.76,1549.61 6454.88,1614.72 6454.88,1629.49 6469.49,1644.09 6499.02,1644.09 6614.17,1528.94 v1(6614.17,1522.05)
-15_Filtered: C8.1 FB5.2 L3.1 | length 649.4
  Top Layer w27.56: FB5.2@5116.1,3623.62 5105.28,3612.8 5022.24,3612.8 4984.25,3574.8 4984.25,3331.1 5013.19,3302.16 5073.82,3302.16 5079.72,3296.26 5119.48,3296.26 5138.18,3277.56 5170.66,3277.56 5179.52,3268.7 C8.1@5179.52,3236.22